# KiCad board rabbit_mask.kicad_pcb (continued)
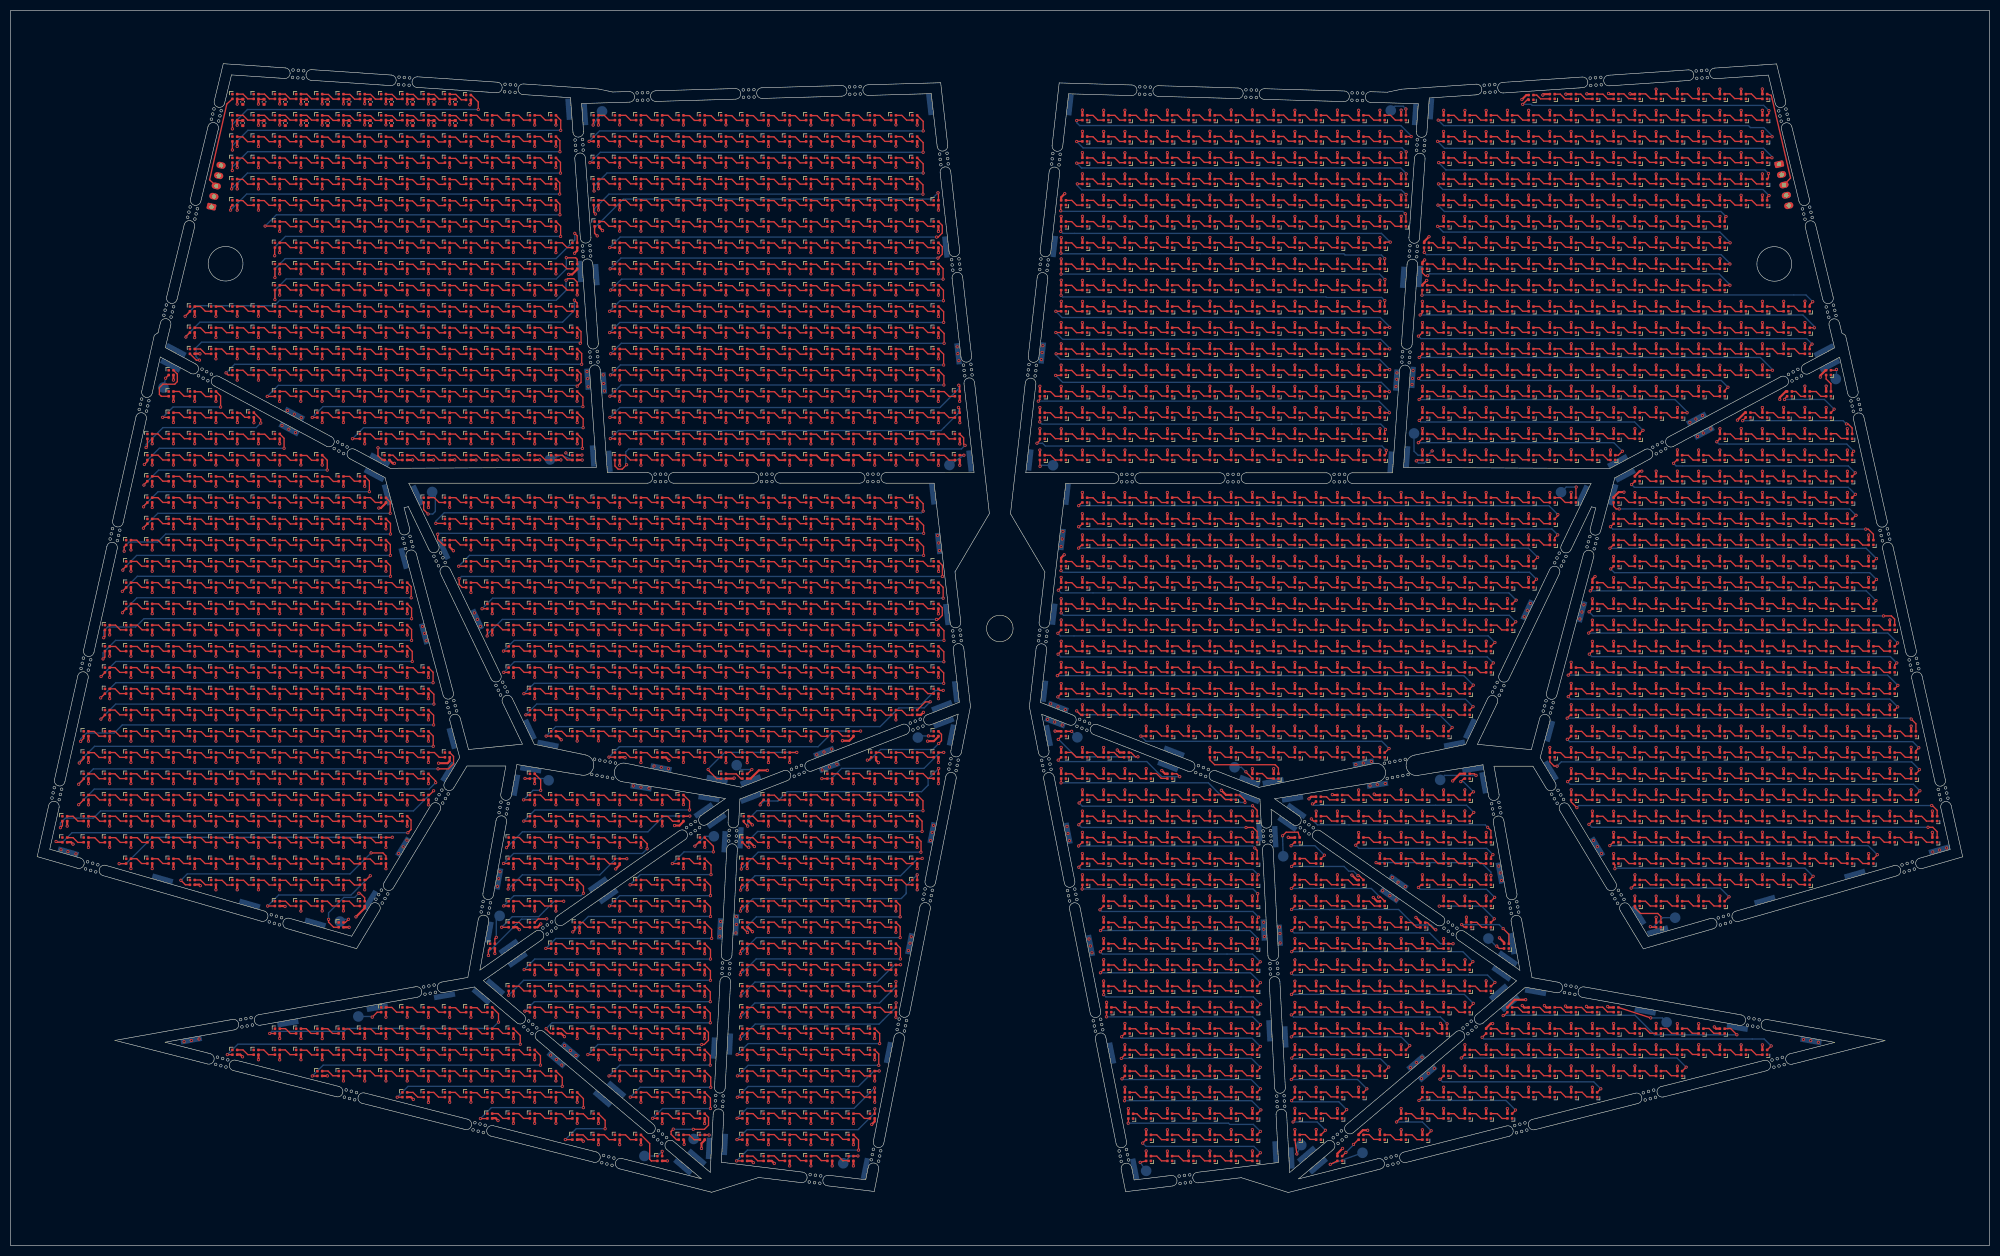
[diagram p0: board, top side]
## Routing (per net, layer and track width the routed paths; a pad name or vN(x,y) marks a point on that pad's centre or on a via; arc(x,y) is an arc through that point) (continued)
Net-(D1244-DOUT): length 16.5
  Top w0.25: D1244.3 v1(104.11,64.81) ; v1(92.43,59.91) D1259.1
  Bottom w0.25: v1(104.11,64.81) 102.32,64.81 99.4,61.89 94.41,61.89 v1(92.43,59.91)
Net-(D1245-DOUT): length 3.5
  Top w0.25: 114.63,64.81 115.73,64.81 116.63,63.91 117.73,63.91
Net-(D1246-DOUT): length 3.5
  Top w0.25: 121.77,63.91 120.67,63.91 119.77,64.81 118.67,64.81
Net-(D1247-DOUT): length 3.5
  Top w0.25: D1248.1 124.65,63.91 123.75,64.81 D1247.3
Net-(D1248-DOUT): length 3.5
  Top w0.25: 126.65,64.79 127.75,64.79 128.65,63.89 129.75,63.89
Net-(D1249-DOUT): length 31.5
  Top w0.25: v1(131.74,61.94) 131.74,63.72 D1249.3 ; D1261.1 106.2,59.41 v1(105.83,59.04)
  Bottom w0.25: v1(131.74,61.94) 108.73,61.94 v1(105.83,59.04)
Net-(D1250-DOUT): length 3.5
  Top w0.25: D1250.3 139.75,64.81 140.65,63.91 D1251.1
Net-(D1251-DOUT): length 3.5
  Top w0.25: 145.75,63.96 144.65,63.96 143.75,64.86 142.65,64.86
Net-(D1252-DOUT): length 3.5
  Top w0.25: 146.7,64.86 147.8,64.86 148.7,63.96 149.8,63.96
Net-(D1253-DOUT): length 3.5
  Top w0.25: 150.6,64.86 151.7,64.86 152.6,63.96 153.7,63.96
Net-(D1254-DOUT): length 3.5
  Top w0.25: 154.65,64.86 155.75,64.86 156.65,63.96 157.75,63.96
Net-(D1255-DOUT): length 3.5
  Top w0.25: 158.7,64.81 159.8,64.81 160.7,63.91 161.8,63.91
Net-(D1256-DOUT): length 3.5
  Top w0.25: 165.72,63.91 164.62,63.91 163.72,64.81 162.62,64.81
Net-(D1257-DOUT): length 35.3
  Top w0.25: D1268.1 137.75,59.88 v1(138.7,58.93) ; v1(167.44,61.87) 167.44,64.02 D1257.3
  Bottom w0.25: v1(167.44,61.87) 140.38,61.87 138.7,60.19 v1(138.7,58.93)
Net-(D1259-DOUT): length 3.5
  Top w0.25: D1259.3 95.75,60.81 96.65,59.91 D1260.1
Net-(D1260-DOUT): length 18.2
  Top w0.25: v1(100.92,61.49) 99.33,61.49 D1260.3 ; v1(89.94,54.6) 89.94,55.6 D1276.1
  Bottom w0.25: v1(100.92,61.49) 100.87,61.44 96.16,61.44 89.94,55.23 v1(89.94,54.6)
Net-(D1261-DOUT): length 3
  Top w0.25: D1261.3 107.75,60.81 108.65,59.91 D1262.1
Net-(D1262-DOUT): length 3.5
  Top w0.25: 110.7,60.81 111.8,60.81 112.7,59.91 113.8,59.91
Net-(D1263-DOUT): length 3.5
  Top w0.25: 117.77,59.91 116.67,59.91 115.77,60.81 114.67,60.81
Net-(D1264-DOUT): length 3.5
  Top w0.25: D1264.3 119.75,60.81 120.65,59.91 D1265.1
Net-(D1265-DOUT): length 3.5
  Top w0.25: 125.8,59.91 124.7,59.91 123.8,60.81 122.7,60.81
Net-(D1266-DOUT): length 3.5
  Top w0.25: 126.67,60.81 127.77,60.81 128.67,59.91 129.77,59.91
Net-(D1267-DOUT): length 36.6
  Top w0.25: D1277.1 101.74,55.92 v1(100.74,55.92) ; D1267.3 131.96,59.5 v1(131.96,57.8)
  Bottom w0.25: v1(131.96,57.8) 102.62,57.8 v1(100.74,55.92)
Net-(D1268-DOUT): length 3.5
  Top w0.25: D1268.3 139.75,60.81 140.65,59.91 D1269.1
Net-(D1269-DOUT): length 3.5
  Top w0.25: 145.75,59.96 144.65,59.96 143.75,60.86 142.65,60.86
Net-(D1270-DOUT): length 3.5
  Top w0.25: 149.8,59.96 148.7,59.96 147.8,60.86 146.7,60.86
Net-(D1271-DOUT): length 3.5
  Top w0.25: 153.7,59.96 152.6,59.96 151.7,60.86 150.6,60.86
Net-(D1272-DOUT): length 3.5
  Top w0.25: 154.65,60.86 155.75,60.86 156.65,59.96 157.75,59.96
Net-(D1273-DOUT): length 3.5
  Top w0.25: 161.8,59.91 160.7,59.91 159.8,60.81 158.7,60.81
Net-(D1274-DOUT): length 3.5
  Top w0.25: 162.62,60.81 163.72,60.81 164.62,59.91 165.72,59.91
Net-(D1275-DOUT): length 35.6
  Top w0.25: D1275.3 167.45,60.01 v1(167.45,57.96) ; D1285.1 137.37,55.53 v1(137.37,54.95)
  Bottom w0.25: v1(137.37,54.95) 140.38,57.96 v1(167.45,57.96)
Net-(D1277-DOUT): length 3.5
  Top w0.25: D1278.1 104.65,55.91 103.75,56.81 D1277.3
Net-(D1278-DOUT): length 3.5
  Top w0.25: 106.7,56.81 107.8,56.81 108.7,55.91 109.8,55.91
Net-(D1279-DOUT): length 3.5
  Top w0.25: 113.77,55.91 112.67,55.91 111.77,56.81 110.67,56.81
Net-(D1280-DOUT): length 3.5
  Top w0.25: D1280.3 115.75,56.81 116.65,55.91 D1281.1
Net-(D1281-DOUT): length 3.5
  Top w0.25: 121.8,55.91 120.7,55.91 119.8,56.81 118.7,56.81
Net-(D1282-DOUT): length 3.5
  Top w0.25: 125.77,55.91 124.67,55.91 123.77,56.81 122.67,56.81
Net-(D1283-DOUT): length 3.5
  Top w0.25: 126.65,56.79 127.75,56.79 128.65,55.89 129.75,55.89
Net-(D1284-DOUT): length 40.3
  Top w0.25: D1293.1 97.73,51.93 v1(96.66,51.93) ; v1(131.74,53.92) 131.74,55.72 D1284.3
  Bottom w0.25: v1(131.74,53.92) 98.65,53.92 v1(96.66,51.93)
Net-(D1285-DOUT): length 3.5
  Top w0.25: D1285.3 139.75,56.81 140.65,55.91 D1286.1
Net-(D1286-DOUT): length 3.5
  Top w0.25: 145.75,55.96 144.65,55.96 143.75,56.86 142.65,56.86
Net-(D1287-DOUT): length 3.5
  Top w0.25: 149.8,55.96 148.7,55.96 147.8,56.86 146.7,56.86
Net-(D1288-DOUT): length 3.5
  Top w0.25: 153.7,55.96 152.6,55.96 151.7,56.86 150.6,56.86
Net-(D1289-DOUT): length 3.5
  Top w0.25: 157.75,55.96 156.65,55.96 155.75,56.86 154.65,56.86
Net-(D1290-DOUT): length 3.5
  Top w0.25: 158.7,56.81 159.8,56.81 160.7,55.91 161.8,55.91
Net-(D1291-DOUT): length 3.5
  Top w0.25: 165.72,55.91 164.62,55.91 163.72,56.81 162.62,56.81
Net-(D1292-DOUT): length 35.7
  Top w0.25: D1302.1 137.37,51.53 v1(137.37,50.97) ; v1(167.49,53.94) 167.49,55.97 D1292.3
  Bottom w0.25: v1(167.49,53.94) 140.34,53.94 v1(137.37,50.97)
Net-(D1293-DOUT): length 3.5
  Top w0.25: 98.65,52.79 99.75,52.79 100.65,51.89 101.75,51.89
Net-(D1294-DOUT): length 3.5
  Top w0.25: 102.7,52.79 103.8,52.79 104.7,51.89 105.8,51.89
Net-(D1295-DOUT): length 3.5
  Top w0.25: 109.77,51.89 108.67,51.89 107.77,52.79 106.67,52.79
Net-(D1296-DOUT): length 3.5
  Top w0.25: D1296.3 111.75,52.81 112.65,51.91 D1297.1
Net-(D1297-DOUT): length 3.5
  Top w0.25: 117.8,51.91 116.7,51.91 115.8,52.81 114.7,52.81
Net-(D1298-DOUT): length 3.5
  Top w0.25: 121.77,51.91 120.67,51.91 119.77,52.81 118.67,52.81
Net-(D1299-DOUT): length 3.5
  Top w0.25: D1299.3 123.75,52.81 124.65,51.91 D1300.1
Net-(D1300-DOUT): length 3.5
  Top w0.25: D1300.3 127.75,52.81 128.65,51.91 D1301.1
Net-(D1301-DOUT): length 43.3
  Top w0.25: v1(131.73,49.92) 131.73,51.73 D1301.3 ; v1(93.75,47.11) D1310.1
  Bottom w0.25: v1(131.73,49.92) 96.56,49.92 v1(93.75,47.11)
Net-(D1302-DOUT): length 3.5
  Top w0.25: D1303.1 140.65,51.91 139.75,52.81 D1302.3
Net-(D1303-DOUT): length 3.5
  Top w0.25: 142.65,52.86 143.75,52.86 144.65,51.96 145.75,51.96
Net-(D1304-DOUT): length 3.5
  Top w0.25: 146.7,52.86 147.8,52.86 148.7,51.96 149.8,51.96
Net-(D1305-DOUT): length 3.5
  Top w0.25: 150.6,52.86 151.7,52.86 152.6,51.96 153.7,51.96
Net-(D1306-DOUT): length 3.5
  Top w0.25: 154.65,52.86 155.75,52.86 156.65,51.96 157.75,51.96
Net-(D1307-DOUT): length 3.5
  Top w0.25: 161.8,51.91 160.7,51.91 159.8,52.81 158.7,52.81
Net-(D1308-DOUT): length 3.5
  Top w0.25: 162.62,52.81 163.72,52.81 164.62,51.91 165.72,51.91
Net-(D1309-DOUT): length 34.4
  Top w0.25: v1(167.52,52.85) 167.48,52.81 D1309.3 ; v1(137.48,46.96) 137.48,47.64 D1320.1
  Bottom w0.25: v1(167.52,52.85) 166.39,52.85 163.13,49.59 140.11,49.59 v1(137.48,46.96)
Net-(D1310-DOUT): length 3.5
  Top w0.25: 94.62,48.81 95.73,48.81 96.62,47.91 97.73,47.91
Net-(D1311-DOUT): length 3.5
  Top w0.25: 98.67,48.81 99.78,48.81 100.67,47.91 101.77,47.91
Net-(D1312-DOUT): length 3.5
  Top w0.25: D1312.3 103.75,48.81 104.65,47.91 D1313.1
Net-(D1313-DOUT): length 3.5
  Top w0.25: D1313.3 107.75,48.81 108.65,47.91 D1314.1
Net-(D1314-DOUT): length 3.5
  Top w0.25: 110.7,48.81 111.8,48.81 112.7,47.91 113.8,47.91
Net-(D1315-DOUT): length 3.5
  Top w0.25: 117.77,47.91 116.67,47.91 115.77,48.81 114.67,48.81
Net-(D1316-DOUT): length 3.5
  Top w0.25: D1317.1 120.65,47.91 119.75,48.81 D1316.3
Net-(D1317-DOUT): length 3.5
  Top w0.25: 122.7,48.81 123.8,48.81 124.7,47.91 125.8,47.91
Net-(D1318-DOUT): length 3.5
  Top w0.25: 129.77,47.91 128.67,47.91 127.77,48.81 126.67,48.81
Net-(D1319-DOUT): length 40
  Top w0.25: D1334.1 97.55,44.11 v1(96.8,44.11) ; v1(131.7,45.89) 131.7,47.76 D1319.3
  Bottom w0.25: v1(131.7,45.89) 98.58,45.89 v1(96.8,44.11)
Net-(D1320-DOUT): length 3.5
  Top w0.25: D1321.1 140.65,47.91 139.75,48.81 D1320.3
Net-(D1321-DOUT): length 3.5
  Top w0.25: 142.65,48.86 143.75,48.86 144.65,47.96 145.75,47.96
Net-(D1322-DOUT): length 3.5
  Top w0.25: 149.8,47.96 148.7,47.96 147.8,48.86 146.7,48.86
Net-(D1323-DOUT): length 3.5
  Top w0.25: 150.6,48.86 151.7,48.86 152.6,47.96 153.7,47.96
Net-(D1324-DOUT): length 3.5
  Top w0.25: 157.75,47.96 156.65,47.96 155.75,48.86 154.65,48.86
Net-(D1325-DOUT): length 3.5
  Top w0.25: 161.8,47.91 160.7,47.91 159.8,48.81 158.7,48.81
Net-(D1326-DOUT): length 3.5
  Top w0.25: 162.62,48.81 163.72,48.81 164.62,47.91 165.72,47.91
Net-(D1327-DOUT): length 34.6
  Top w0.25: D1343.1 137.41,43.57 v1(137.41,42.96) ; v1(166.64,49.71) 166.65,49.7 D1327.3
  Bottom w0.25: v1(137.41,42.96) 140.09,45.64 163.55,45.64 166.64,48.73 v1(166.64,49.71)
Net-(D1328-DOUT): length 3.5
  Top w0.25: D1328.3 71.75,44.81 72.65,43.91 D1329.1
Net-(D1329-DOUT): length 3.5
  Top w0.25: 77.65,43.91 76.55,43.91 75.65,44.81 74.55,44.81
Net-(D1330-DOUT): length 3.5
  Top w0.25: 78.6,44.81 79.7,44.81 80.6,43.91 81.7,43.91
Net-(D1331-DOUT): length 3.5
  Top w0.25: 85.75,43.86 84.65,43.86 83.75,44.76 82.65,44.76
Net-(D1332-DOUT): length 3.5
  Top w0.25: 86.7,44.76 87.8,44.76 88.7,43.86 89.8,43.86
Net-(D1333-DOUT): length 48.2
  Top w0.25: v1(48.77,39.91) D1351.1 ; v1(91.84,42.05) 91.84,43.62 D1333.3
  Bottom w0.25: v1(91.84,42.05) 90.65,40.86 63.31,40.86 62.76,40.31 49.17,40.31 v1(48.77,39.91)
Net-(D1334-DOUT): length 3.5
  Top w0.25: D1335.1 100.65,43.91 99.75,44.81 D1334.3
Net-(D1335-DOUT): length 3.5
  Top w0.25: 102.7,44.81 103.8,44.81 104.7,43.91 105.8,43.91
Net-(D1336-DOUT): length 3.5
  Top w0.25: 106.67,44.81 107.77,44.81 108.67,43.91 109.77,43.91
Net-(D1337-DOUT): length 3.5
  Top w0.25: D1338.1 112.65,43.91 111.75,44.81 D1337.3
Net-(D1338-DOUT): length 3.5
  Top w0.25: 117.8,43.91 116.7,43.91 115.8,44.81 114.7,44.81
Net-(D1339-DOUT): length 3.5
  Top w0.25: 121.77,43.91 120.67,43.91 119.77,44.81 118.67,44.81
Net-(D1340-DOUT): length 3.5
  Top w0.25: 125.77,43.9 124.67,43.9 123.77,44.8 122.67,44.8
Net-(D1341-DOUT): length 3.5
  Top w0.25: 126.65,44.79 127.75,44.79 128.65,43.89 129.75,43.89
Net-(D1342-DOUT): length 36.5
  Top w0.25: v1(131.71,41.92) 131.71,43.75 D1342.3 ; v1(100.8,40.81) 100.8,40.71 101.6,39.91 D1363.1
  Bottom w0.25: v1(100.8,40.81) 101.91,41.92 v1(131.71,41.92)
Net-(D1343-DOUT): length 3.5
  Top w0.25: D1343.3 139.75,44.81 140.65,43.91 D1344.1
Net-(D1344-DOUT): length 3.5
  Top w0.25: 142.65,44.86 143.75,44.86 144.65,43.96 145.75,43.96
Net-(D1345-DOUT): length 3.5
  Top w0.25: 149.8,43.96 148.7,43.96 147.8,44.86 146.7,44.86
Net-(D1346-DOUT): length 3.5
  Top w0.25: 153.7,43.96 152.6,43.96 151.7,44.86 150.6,44.86
Net-(D1347-DOUT): length 3.5
  Top w0.25: 157.75,43.96 156.65,43.96 155.75,44.86 154.65,44.86
Net-(D1348-DOUT): length 3.5
  Top w0.25: 161.8,43.91 160.7,43.91 159.8,44.81 158.7,44.81
Net-(D1349-DOUT): length 3.5
  Top w0.25: 165.72,43.91 164.62,43.91 163.72,44.81 162.62,44.81
Net-(D1350-DOUT): length 34.7
  Top w0.25: v1(166.67,45.67) 166.65,45.65 D1350.3 ; v1(137.35,38.86) 137.35,39.51 D1371.1
  Bottom w0.25: v1(166.67,45.67) 166.67,44.87 163.48,41.68 140.17,41.68 v1(137.35,38.86)
Net-(D1351-DOUT): length 3.5
  Top w0.25: D1352.1 52.65,39.91 51.75,40.81 D1351.3
Net-(D1352-DOUT): length 3.5
  Top w0.25: 54.55,40.81 55.65,40.81 56.55,39.91 57.65,39.91
Net-(D1353-DOUT): length 3.5
  Top w0.25: 58.6,40.81 59.7,40.81 60.6,39.91 61.7,39.91
Net-(D1354-DOUT): length 3.5
  Top w0.25: 65.75,39.86 64.65,39.86 63.75,40.76 62.65,40.76
Net-(D1355-DOUT): length 3.5
  Top w0.25: 69.8,39.86 68.7,39.86 67.8,40.76 66.7,40.76
Net-(D1356-DOUT): length 3.5
  Top w0.25: D1357.1 72.65,39.91 71.75,40.81 D1356.3
Net-(D1357-DOUT): length 3.5
  Top w0.25: 74.55,40.81 75.65,40.81 76.55,39.91 77.65,39.91
Net-(D1358-DOUT): length 3.5
  Top w0.25: 78.6,40.81 79.7,40.81 80.6,39.91 81.7,39.91
Net-(D1359-DOUT): length 3.5
  Top w0.25: 85.75,39.86 84.65,39.86 83.75,40.76 82.65,40.76
Net-(D1360-DOUT): length 3.5
  Top w0.25: 89.8,39.86 88.7,39.86 87.8,40.76 86.7,40.76
Net-(D1361-DOUT): length 3.5
  Top w0.25: D1362.1 92.65,39.91 91.75,40.81 D1361.3
Net-(D1362-DOUT): length 60.4
  Top w0.25: v1(40.8,35.91) D1378.1 ; v1(95.93,37.88) 95.93,39.53 D1362.3
  Bottom w0.25: v1(95.93,37.88) 42.77,37.88 v1(40.8,35.91)
Net-(D1363-DOUT): length 3.1
  Top w0.25: D1364.1 104.65,39.91 103.75,40.81 D1363.3
Net-(D1364-DOUT): length 3.5
  Top w0.25: 106.7,40.81 107.8,40.81 108.7,39.91 109.8,39.91
Net-(D1365-DOUT): length 3.5
  Top w0.25: 110.67,40.81 111.77,40.81 112.67,39.91 113.77,39.91
Net-(D1366-DOUT): length 3.5
  Top w0.25: D1366.3 115.75,40.81 116.65,39.91 D1367.1
Net-(D1367-DOUT): length 3.5
  Top w0.25: 118.7,40.81 119.8,40.81 120.7,39.91 121.8,39.91
Net-(D1368-DOUT): length 3.5
  Top w0.25: 122.67,40.81 123.77,40.81 124.67,39.91 125.77,39.91
Net-(D1369-DOUT): length 3.5
  Top w0.25: D1370.1 128.65,39.91 127.75,40.81 D1369.3
Net-(D1370-DOUT): length 27.4
  Top w0.25: v1(108.65,35.92) 109.74,35.92 D1393.1 ; v1(130.1,37.83) 130.57,37.83 131.35,38.62 131.35,40.11 D1370.3
  Bottom w0.25: v1(130.1,37.83) 110.56,37.83 v1(108.65,35.92)
Net-(D1371-DOUT): length 3.5
  Top w0.25: D1372.1 140.65,39.91 139.75,40.81 D1371.3
Net-(D1372-DOUT): length 3.5
  Top w0.25: 142.65,40.86 143.75,40.86 144.65,39.96 145.75,39.96
Net-(D1373-DOUT): length 3.5
  Top w0.25: 149.8,39.96 148.7,39.96 147.8,40.86 146.7,40.86
Net-(D1374-DOUT): length 3.5
  Top w0.25: 153.7,39.96 152.6,39.96 151.7,40.86 150.6,40.86
Net-(D1375-DOUT): length 3.5
  Top w0.25: 154.65,40.86 155.75,40.86 156.65,39.96 157.75,39.96
Net-(D1376-DOUT): length 3.5
  Top w0.25: 161.8,39.91 160.7,39.91 159.8,40.81 158.7,40.81
Net-(D1377-DOUT): length 31.9
  Top w0.25: v1(163.59,38) 163.59,39.87 D1377.3 ; v1(136.76,35.92) 137.74,35.92 D1399.1
  Bottom w0.25: v1(136.76,35.92) 138.84,38 v1(163.59,38)
Net-(D1378-DOUT): length 3.5
  Top w0.25: D1379.1 44.65,35.91 43.75,36.81 D1378.3
Net-(D1379-DOUT): length 3.5
  Top w0.25: 46.55,36.81 47.65,36.81 48.55,35.91 49.65,35.91
Net-(D1380-DOUT): length 3.5
  Top w0.25: 50.6,36.81 51.7,36.81 52.6,35.91 53.7,35.91
Net-(D1381-DOUT): length 3.5
  Top w0.25: 54.65,36.76 55.75,36.76 56.65,35.86 57.75,35.86
Net-(D1382-DOUT): length 3.5
  Top w0.25: 61.8,35.86 60.7,35.86 59.8,36.76 58.7,36.76
Net-(D1383-DOUT): length 3.5
  Top w0.25: D1384.1 64.65,35.91 63.75,36.81 D1383.3
Net-(D1384-DOUT): length 3.5
  Top w0.25: 69.65,35.91 68.55,35.91 67.65,36.81 66.55,36.81
Net-(D1385-DOUT): length 3.5
  Top w0.25: 73.7,35.91 72.6,35.91 71.7,36.81 70.6,36.81
Net-(D1386-DOUT): length 3.5
  Top w0.25: 77.75,35.86 76.65,35.86 75.75,36.76 74.65,36.76
Net-(D1387-DOUT): length 3.5
  Top w0.25: 78.7,36.76 79.8,36.76 80.7,35.86 81.8,35.86
Net-(D1388-DOUT): length 3.5
  Top w0.25: D1388.3 83.75,36.81 84.65,35.91 D1389.1
Net-(D1389-DOUT): length 3.5
  Top w0.25: D1389.3 87.75,36.81 88.65,35.91 D1390.1
Net-(D1390-DOUT): length 3.5
  Top w0.25: D1390.3 91.75,36.81 92.65,35.91 D1391.1
Net-(D1391-DOUT): length 3.5
  Top w0.25: D1392.1 96.65,35.91 95.75,36.81 D1391.3
Net-(D1392-DOUT): length 48.1
  Top w0.25: D1392.3 99.73,35.73 v1(99.73,33.94) ; v1(56.79,31.9) 57.74,31.9 D1406.1
  Bottom w0.25: v1(99.73,33.94) 58.83,33.94 v1(56.79,31.9)
Net-(D1393-DOUT): length 3.5
  Top w0.25: D1394.1 112.65,35.91 111.75,36.81 D1393.3
Net-(D1394-DOUT): length 3.5
  Top w0.25: 117.8,35.91 116.7,35.91 115.8,36.81 114.7,36.81
Net-(D1395-DOUT): length 3.5
  Top w0.25: 118.67,36.81 119.77,36.81 120.67,35.91 121.77,35.91
Net-(D1396-DOUT): length 3.5
  Top w0.25: 125.74,35.92 124.64,35.92 123.74,36.82 122.64,36.82
Net-(D1397-DOUT): length 3.5
  Top w0.25: 129.75,35.89 128.65,35.89 127.75,36.79 126.65,36.79
Net-(D1398-DOUT): length 24.3
  Top w0.25: D1418.1 112.64,31.91 v1(112.63,31.9) ; D1398.3 131.69,35.77 v1(131.69,33.94)
  Bottom w0.25: v1(112.63,31.9) 114.67,33.94 v1(131.69,33.94)
Net-(D1399-DOUT): length 3.5
  Top w0.25: D1399.3 139.75,36.81 140.65,35.91 D1400.1
Net-(D1400-DOUT): length 3.5
  Top w0.25: 142.65,36.86 143.75,36.86 144.65,35.96 145.75,35.96
Net-(D1401-DOUT): length 3.5
  Top w0.25: 149.8,35.96 148.7,35.96 147.8,36.86 146.7,36.86
Net-(D1402-DOUT): length 3.5
  Top w0.25: 153.7,35.96 152.6,35.96 151.7,36.86 150.6,36.86
Net-(D1403-DOUT): length 3.5
  Top w0.25: 157.75,35.96 156.65,35.96 155.75,36.86 154.65,36.86
Net-(D1404-DOUT): length 3.5
  Top w0.25: 158.7,36.81 159.8,36.81 160.7,35.91 161.8,35.91
Net-(D1405-DOUT): length 31.6
  Top w0.25: v1(163.42,33.9) 163.42,36.04 D1405.3 ; v1(136.81,31.91) D1423.1
  Bottom w0.25: v1(136.81,31.91) 138.8,33.9 v1(163.42,33.9)
Net-(D1406-DOUT): length 3.5
  Top w0.25: 61.75,31.94 60.65,31.94 59.75,32.84 58.65,32.84
Net-(D1407-DOUT): length 3.5
  Top w0.25: 65.65,31.94 64.55,31.94 63.65,32.84 62.55,32.84
Net-(D1408-DOUT): length 3.5
  Top w0.25: 66.6,32.84 67.7,32.84 68.6,31.94 69.7,31.94
Net-(D1409-DOUT): length 3.5
  Top w0.25: 73.75,31.89 72.65,31.89 71.75,32.79 70.65,32.79
Net-(D1410-DOUT): length 3.5
  Top w0.25: 74.7,32.79 75.8,32.79 76.7,31.89 77.8,31.89
Net-(D1411-DOUT): length 3.5
  Top w0.25: D1411.3 79.75,32.81 80.65,31.91 D1412.1
Net-(D1412-DOUT): length 3.5
  Top w0.25: 85.65,31.91 84.55,31.91 83.65,32.81 82.55,32.81
Net-(D1413-DOUT): length 3.5
  Top w0.25: 89.7,31.91 88.6,31.91 87.7,32.81 86.6,32.81
Net-(D1414-DOUT): length 3.5
  Top w0.25: 90.65,32.76 91.75,32.76 92.65,31.86 93.75,31.86
Net-(D1415-DOUT): length 3.5
  Top w0.25: 94.7,32.76 95.8,32.76 96.7,31.86 97.8,31.86
Net-(D1416-DOUT): length 3.5
  Top w0.25: 101.73,31.91 100.62,31.91 99.73,32.81 98.62,32.81
Net-(D1417-DOUT): length 36.2
  Top w0.25: v1(103.84,29.95) 103.84,31.62 D1417.3 ; v1(72.77,27.91) D1430.1
  Bottom w0.25: v1(103.84,29.95) 74.81,29.95 v1(72.77,27.91)
Net-(D1418-DOUT): length 3.5
  Top w0.25: 117.75,31.89 116.65,31.89 115.75,32.79 114.65,32.79
Net-(D1419-DOUT): length 3.5
  Top w0.25: 118.7,32.79 119.8,32.79 120.7,31.89 121.8,31.89
Net-(D1420-DOUT): length 3.5
  Top w0.25: 122.67,32.79 123.77,32.79 124.67,31.89 125.77,31.89
Net-(D1421-DOUT): length 3.5
  Top w0.25: 126.65,32.79 127.75,32.79 128.65,31.89 129.75,31.89
Net-(D1422-DOUT): length 20.5
  Top w0.25: v1(116.64,27.92) 117.74,27.92 D1439.1 ; v1(131.79,29.77) 131.79,31.67 D1422.3
  Bottom w0.25: v1(131.79,29.77) 118.49,29.77 v1(116.64,27.92)
Net-(D1423-DOUT): length 3.5
  Top w0.25: D1424.1 140.65,31.91 139.75,32.81 D1423.3
Net-(D1424-DOUT): length 3.5
  Top w0.25: 145.75,31.96 144.65,31.96 143.75,32.86 142.65,32.86
Net-(D1425-DOUT): length 3.5
  Top w0.25: 149.8,31.96 148.7,31.96 147.8,32.86 146.7,32.86
Net-(D1426-DOUT): length 3.5
  Top w0.25: 153.7,31.96 152.6,31.96 151.7,32.86 150.6,32.86
Net-(D1427-DOUT): length 3.5
  Top w0.25: 157.75,31.96 156.65,31.96 155.75,32.86 154.65,32.86
Net-(D1428-DOUT): length 3.5
  Top w0.25: 158.7,32.81 159.8,32.81 160.7,31.91 161.8,31.91
Net-(D1429-DOUT): length 30.6
  Top w0.25: D1443.1 137.74,27.9 v1(136.8,27.9) ; v1(163.51,32.85) 163.47,32.81 D1429.3
  Bottom w0.25: v1(136.8,27.9) 138.82,29.92 159.58,29.92 162.51,32.85 v1(163.51,32.85)
Net-(D1430-DOUT): length 3.5
  Top w0.25: D1430.3 75.75,28.81 76.65,27.91 D1431.1
Net-(D1431-DOUT): length 3.5
  Top w0.25: 81.65,27.91 80.55,27.91 79.65,28.81 78.55,28.81
Net-(D1432-DOUT): length 3.5
  Top w0.25: 82.6,28.81 83.7,28.81 84.6,27.91 85.7,27.91
Net-(D1433-DOUT): length 3.5
  Top w0.25: 86.65,28.76 87.75,28.76 88.65,27.86 89.75,27.86
Net-(D1434-DOUT): length 3.5
  Top w0.25: 93.8,27.86 92.7,27.86 91.8,28.76 90.7,28.76
Net-(D1435-DOUT): length 3.5
  Top w0.25: D1436.1 96.65,27.91 95.75,28.81 D1435.3
Net-(D1436-DOUT): length 3.5
  Top w0.25: D1436.3 99.75,28.81 100.65,27.91 D1437.1
Net-(D1437-DOUT): length 3.5
  Top w0.25: D1437.3 103.75,28.81 104.65,27.91 D1438.1
Net-(D1438-DOUT): length 24.9
  Top w0.25: v1(107.82,25.94) 107.82,27.64 D1438.3 ; v1(88.43,23.88) 89.72,23.88 D1450.1
  Bottom w0.25: v1(107.82,25.94) 90.49,25.94 v1(88.43,23.88)
Net-(D1439-DOUT): length 3.5
  Top w0.25: D1440.1 120.65,27.91 119.75,28.81 D1439.3
Net-(D1440-DOUT): length 3.5
  Top w0.25: 122.7,28.81 123.8,28.81 124.7,27.91 125.8,27.91
Net-(D1441-DOUT): length 3.5
  Top w0.25: 126.67,28.81 127.77,28.81 128.67,27.91 129.77,27.91
Net-(D1442-DOUT): length 16
  Top w0.25: D1456.1 121.74,23.92 v1(120.85,23.92) ; D1442.3 131.73,27.73 v1(131.73,25.77)
  Bottom w0.25: v1(131.73,25.77) 122.7,25.77 v1(120.85,23.92)
Net-(D1443-DOUT): length 3.5
  Top w0.25: D1444.1 140.65,27.91 139.75,28.81 D1443.3
Net-(D1444-DOUT): length 3.5
  Top w0.25: 145.75,27.96 144.65,27.96 143.75,28.86 142.65,28.86
Net-(D1445-DOUT): length 3.5
  Top w0.25: 149.8,27.96 148.7,27.96 147.8,28.86 146.7,28.86
Net-(D1446-DOUT): length 3.5
  Top w0.25: 150.6,28.86 151.7,28.86 152.6,27.96 153.7,27.96
Net-(D1447-DOUT): length 3.5
  Top w0.25: 154.65,28.86 155.75,28.86 156.65,27.96 157.75,27.96
Net-(D1448-DOUT): length 3.5
  Top w0.25: 161.8,27.91 160.7,27.91 159.8,28.81 158.7,28.81
Net-(D1449-DOUT): length 30.1
  Top w0.25: v1(136.74,23.92) 137.74,23.92 D1459.1 ; D1449.3 162.65,29.63 v1(162.63,29.65)
  Bottom w0.25: v1(162.63,29.65) 158.78,25.8 138.62,25.8 v1(136.74,23.92)
Net-(D1450-DOUT): length 3.5
  Top w0.25: D1451.1 92.65,23.91 91.75,24.81 D1450.3
Net-(D1451-DOUT): length 3.5
  Top w0.25: 94.55,24.81 95.65,24.81 96.55,23.91 97.65,23.91
Net-(D1452-DOUT): length 3.5
  Top w0.25: 98.6,24.81 99.7,24.81 100.6,23.91 101.7,23.91
Net-(D1453-DOUT): length 3.5
  Top w0.25: 102.65,24.76 103.75,24.76 104.65,23.86 105.75,23.86
Net-(D1454-DOUT): length 3.5
  Top w0.25: 106.7,24.76 107.8,24.76 108.7,23.86 109.8,23.86
Net-(D1455-DOUT): length 13.1
  Top w0.25: D1455.3 111.91,23.55 v1(111.91,21.96) ; D1466.1 105.74,19.92 v1(104.41,19.92)
  Bottom w0.25: v1(104.41,19.92) 106.45,21.96 v1(111.91,21.96)
Net-(D1456-DOUT): length 3.5
  Top w0.25: D1457.1 124.65,23.91 123.75,24.81 D1456.3
Net-(D1457-DOUT): length 3.5
  Top w0.25: 126.7,24.81 127.8,24.81 128.7,23.91 129.8,23.91
Net-(D1458-DOUT): length 12.4
  Top w0.25: D1458.3 131.38,24.09 131.38,22.64 130.6,21.86 v1(128.5,21.86) ; v1(124.74,21.89) 124.33,21.47 124.33,20.91 125.33,19.91 D1470.1
  Bottom w0.25: v1(128.5,21.86) 124.77,21.86 v1(124.74,21.89)
Net-(D1459-DOUT): length 3.5
  Top w0.25: D1459.3 139.75,24.81 140.65,23.91 D1460.1
Net-(D1460-DOUT): length 3.5
  Top w0.25: 142.65,24.86 143.75,24.86 144.65,23.96 145.75,23.96
Net-(D1461-DOUT): length 3.5
  Top w0.25: 146.7,24.86 147.8,24.86 148.7,23.96 149.8,23.96
Net-(D1462-DOUT): length 3.5
  Top w0.25: 150.6,24.86 151.7,24.86 152.6,23.96 153.7,23.96
Net-(D1463-DOUT): length 3.5
  Top w0.25: 157.75,23.96 156.65,23.96 155.75,24.86 154.65,24.86
Net-(D1464-DOUT): length 3.5
  Top w0.25: 158.7,24.81 159.8,24.81 160.7,23.91 161.8,23.91
Net-(D1465-DOUT): length 30.7
  Top w0.25: D1465.3 162.65,25.7 v1(162.67,25.72) ; v1(136.73,19.92) 137.74,19.92 D1472.1
  Bottom w0.25: v1(136.73,19.92) 138.6,21.79 159.52,21.79 162.67,24.94 v1(162.67,25.72)
Net-(D1466-DOUT): length 3.5
  Top w0.25: D1467.1 108.65,19.91 107.75,20.81 D1466.3
Net-(D1467-DOUT): length 3.5
  Top w0.25: D1468.1 112.65,19.91 111.75,20.81 D1467.3
Net-(D1468-DOUT): length 3.5
  Top w0.25: D1469.1 116.65,19.91 115.75,20.81 D1468.3
Net-(D1469-DOUT): length 6.9
  Top w0.25: D1478.1 120.63,15.91 120.61,15.89 120.3,16.2 120.3,19.16 D1469.3
Net-(D1470-DOUT): length 3.5
  Top w0.25: D1470.3 127.75,20.81 128.65,19.91 D1471.1
Net-(D1472-DOUT): length 3.5
  Top w0.25: D1472.3 139.75,20.81 140.65,19.91 D1473.1
Net-(D1473-DOUT): length 3.5
  Top w0.25: 142.65,20.86 143.75,20.86 144.65,19.96 145.75,19.96
Net-(D1474-DOUT): length 3.5
  Top w0.25: 149.8,19.96 148.7,19.96 147.8,20.86 146.7,20.86
Net-(D1475-DOUT): length 3.5
  Top w0.25: 153.7,19.96 152.6,19.96 151.7,20.86 150.6,20.86
Net-(D1476-DOUT): length 3.5
  Top w0.25: 157.75,19.96 156.65,19.96 155.75,20.86 154.65,20.86
Net-(D1477-DOUT): length 28.2
  Top w0.25: v1(136.65,15.91) D1479.1 ; D1477.3 159.61,19.85 v1(159.61,17.94)
  Bottom w0.25: v1(159.61,17.94) 138.68,17.94 v1(136.65,15.91)
Net-(D1479-DOUT): length 3.5
  Top w0.25: D1480.1 140.65,15.91 139.75,16.81 D1479.3
Net-(D1480-DOUT): length 3.5
  Top w0.25: 142.65,16.86 143.75,16.86 144.65,15.96 145.75,15.96
Net-(D1481-DOUT): length 3.5
  Top w0.25: 146.7,16.86 147.8,16.86 148.7,15.96 149.8,15.96
Net-(D1482-DOUT): length 3.5
  Top w0.25: 153.7,15.96 152.6,15.96 151.7,16.86 150.6,16.86
Net-(D1483-DOUT): length 3.5
  Top w0.25: 154.65,16.86 155.75,16.86 156.65,15.96 157.75,15.96
Net-(D1485-DIN): length 3.4
  Top w0.25: D1485.1 287.27,216.64 288,215.91 289.73,215.91
Net-(D1485-DOUT): length 49.4
  Top w0.25: v1(330.97,213.71) 330.97,213.14 D1528.1 ; 285.75,215.91 285.65,215.91 v1(284.62,214.89)
  Bottom w0.25: v1(330.97,213.71) 330,214.69 286.43,214.69 286.22,214.89 v1(284.62,214.89)
Net-(D1486-DIN): length 3.5
  Top w0.25: 293.83,215.91 292.6,215.91 291.7,216.81 290.73,216.81
Net-(D1487-DIN): length 3.5
  Top w0.25: 294.73,216.81 295.56,216.81 296.46,215.91 297.83,215.91
Net-(D1488-DIN): length 3.5
  Top w0.25: 301.73,215.91 300.63,215.91 299.73,216.81 298.63,216.81
Net-(D1489-DIN): length 3.5
  Top w0.25: 305.68,215.96 304.58,215.96 303.68,216.86 302.58,216.86
Net-(D1490-DIN): length 3.5
  Top w0.25: 309.78,215.96 308.68,215.96 307.78,216.86 306.68,216.86
Net-(D1491-DIN): length 3.5
  Top w0.25: 310.68,216.86 311.78,216.86 312.68,215.96 313.78,215.96
